# Altium PCB 400182.PcbDoc (part 1 of 3) (continued)
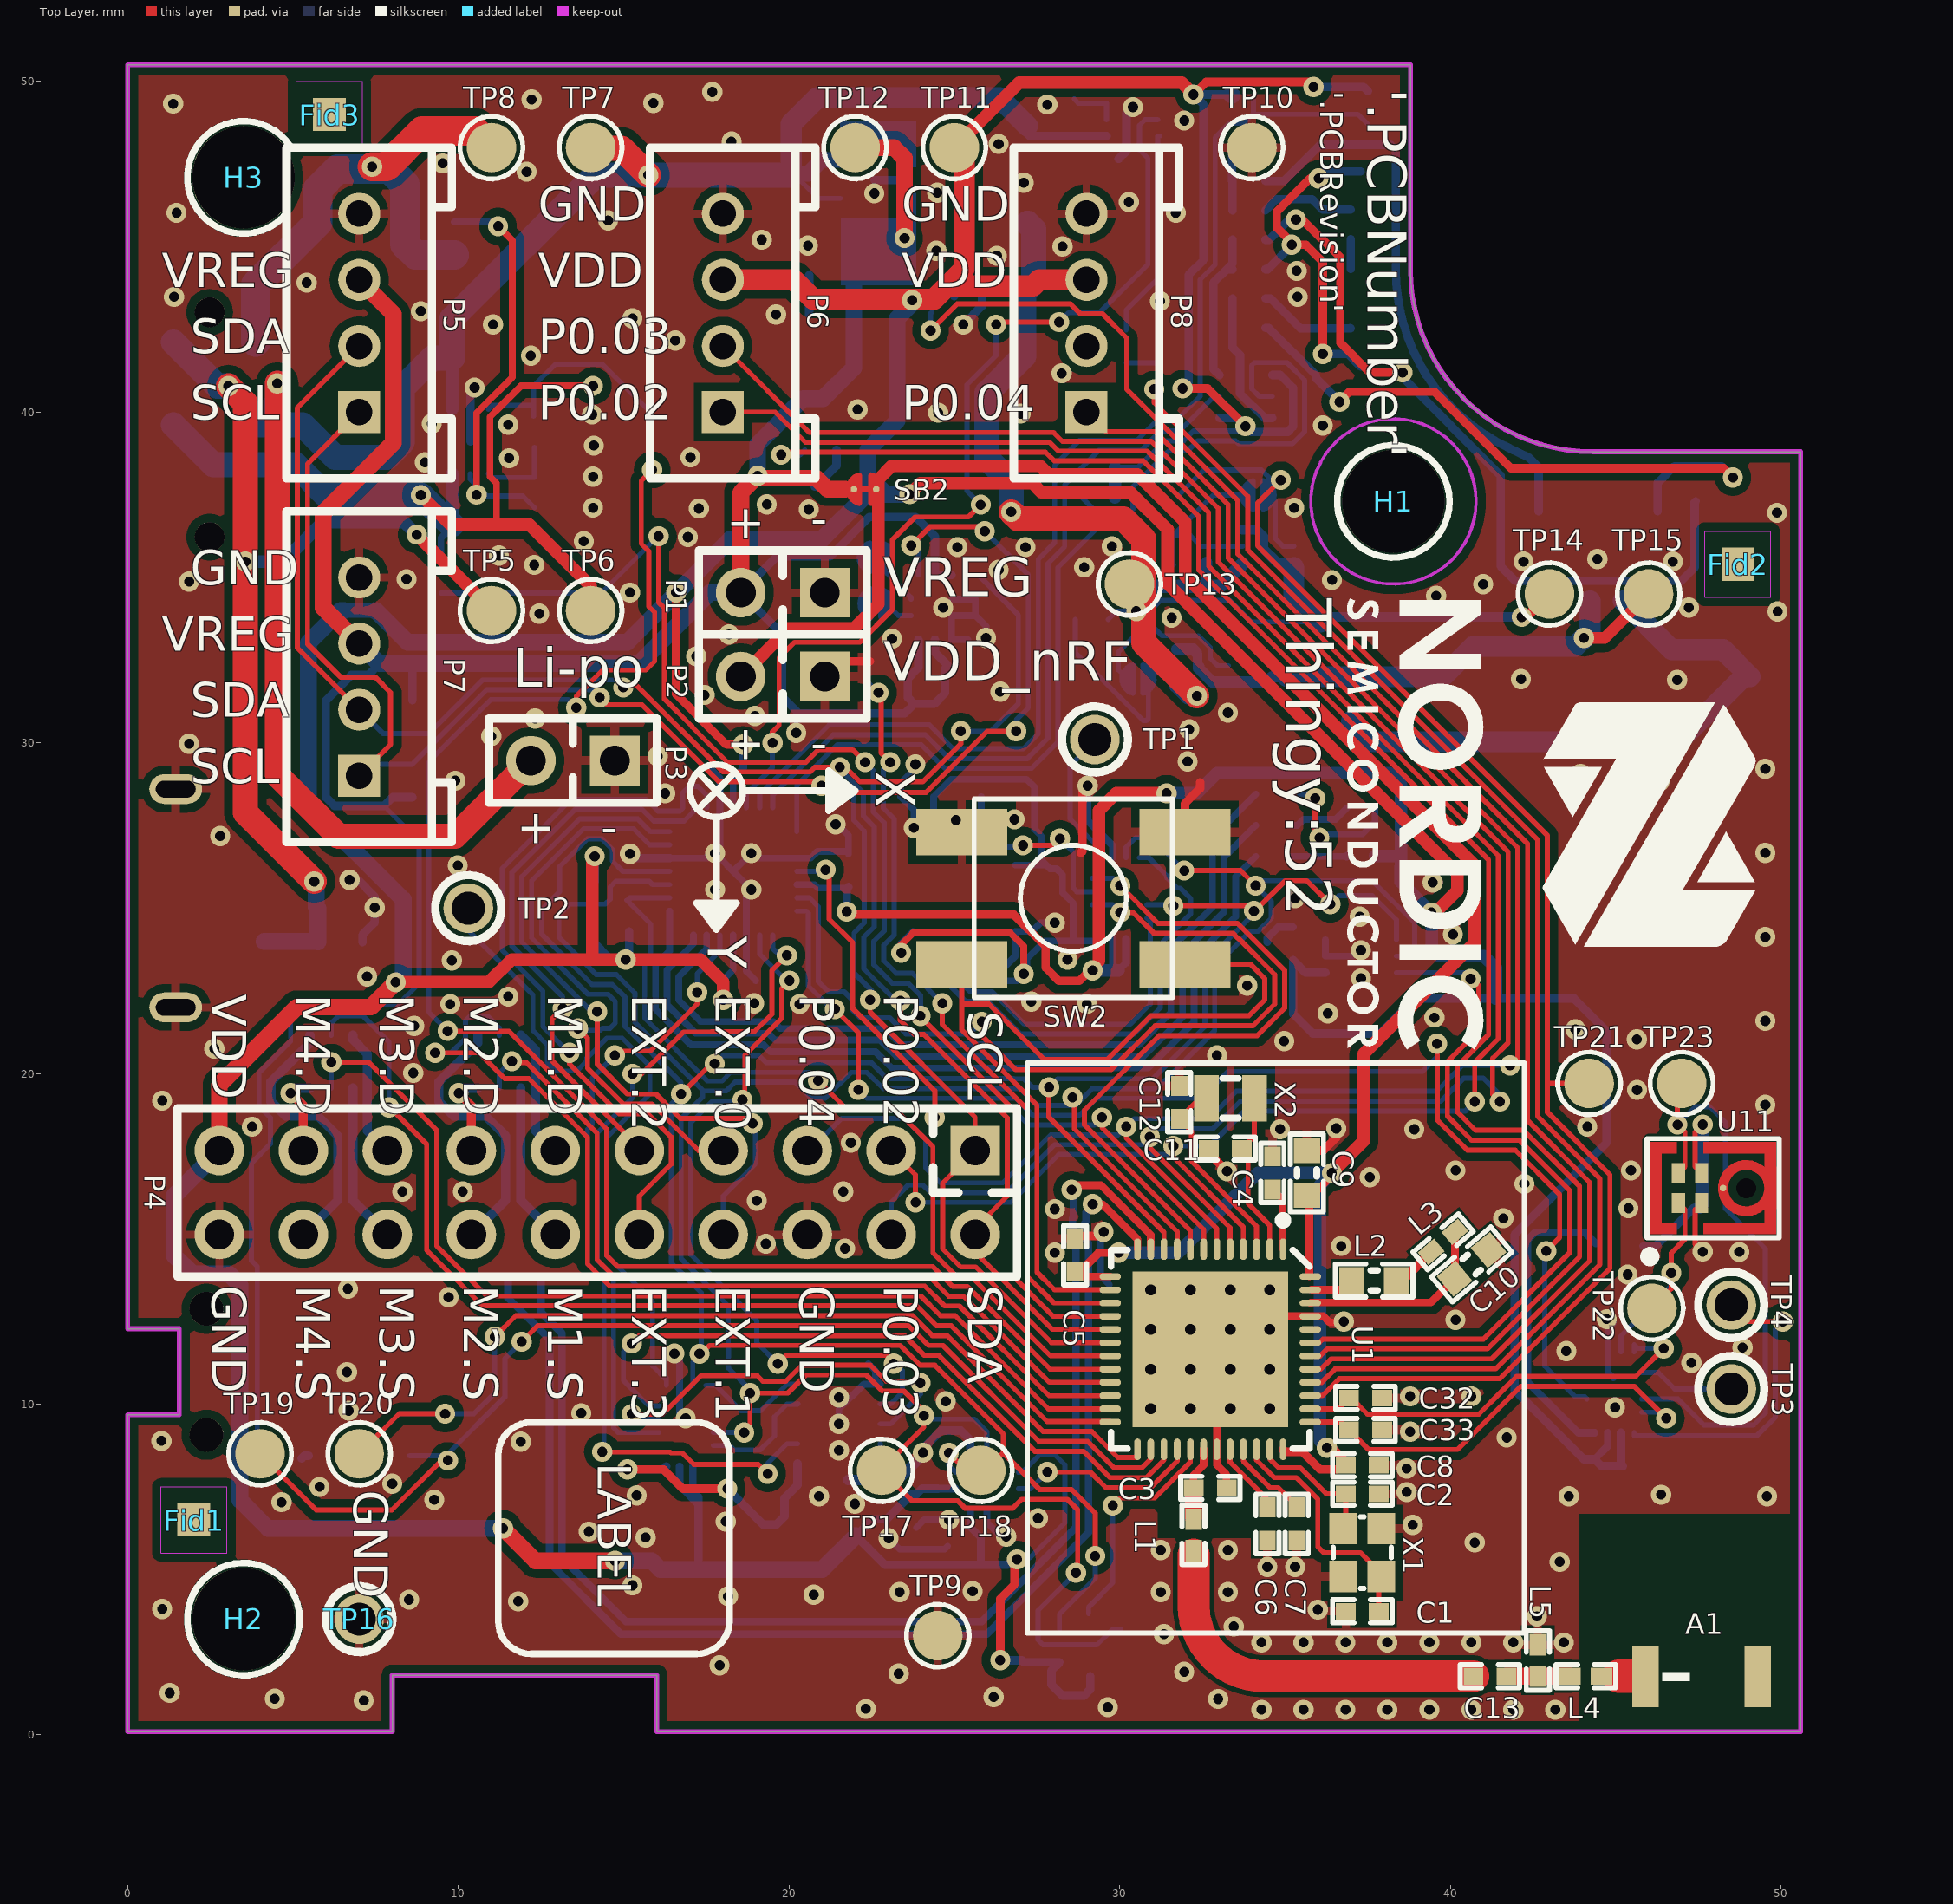
[diagram p0: Top Layer view]
## Footprints (in the part's own frame and the unit in brackets; to place one, negate y for a bottom-side part, rotate by r counter-clockwise, add the part's x,y. Pads: shape width x height; smd on the part's side, far side on the other; paste and mask are expansions set on the pad) (continued)
  Top Layer region: -0.077,-0.432 -0.152,-0.505 -0.271,-0.467 -0.335,-0.424 -0.409,-0.351 -0.462,-0.292 -0.521,-0.193 -0.549,-0.099 -0.544,0.122 -0.518,0.193 -0.434,0.33 -0.351,0.411 -0.259,0.469 -0.157,0.5 -0.107,0.483 -0.077,0.43
  Top Layer lines w0.152: -0.153,0.431 ccw(c-0.042,0) -0.487,0 ccw(c-0.042,0) -0.153,-0.431 ; 0.153,0.431 cw(c0.042,0) 0.436,-0.207 cw(c0.042,0) 0.338,-0.332 cw(c0.042,0) 0.153,-0.431
Solderbridge#2 [mm]
  round 0.2 smd paste-10: 1(-0.312,0) 2(0.312,0)
  Top Layer region: 0.077,0.432 0.152,0.505 0.271,0.467 0.335,0.424 0.409,0.351 0.462,0.292 0.521,0.193 0.549,0.099 0.544,-0.122 0.518,-0.193 0.434,-0.33 0.351,-0.411 0.259,-0.469 0.157,-0.5 0.107,-0.483 0.077,-0.43
  Top Layer region: -0.077,-0.432 -0.152,-0.505 -0.271,-0.467 -0.335,-0.424 -0.409,-0.351 -0.462,-0.292 -0.521,-0.193 -0.549,-0.099 -0.544,0.122 -0.518,0.193 -0.434,0.33 -0.351,0.411 -0.259,0.469 -0.157,0.5 -0.107,0.483 -0.077,0.43
  Top Layer lines w0.152: 0.153,-0.431 ccw(c0.042,0) 0.487,0 ccw(c0.042,0) 0.461,0.149 ccw(c0.042,0) 0.338,0.332 ccw(c0.042,0) 0.153,0.431 ; -0.153,-0.431 cw(c-0.042,0) -0.312,-0.353 cw(c-0.042,0) -0.338,-0.332 cw(c-0.042,0) -0.473,0.11 cw(c-0.042,0) -0.153,0.431
Solderbridge#3 [mm]
  round 0.2 smd paste-10: 1(-0.312,0) 2(0.312,0)
  Top Layer region: 0.077,0.432 0.152,0.505 0.271,0.467 0.335,0.424 0.409,0.351 0.462,0.292 0.521,0.193 0.549,0.099 0.544,-0.122 0.518,-0.193 0.434,-0.33 0.351,-0.411 0.259,-0.469 0.157,-0.5 0.107,-0.483 0.077,-0.43
  Top Layer region: -0.077,-0.432 -0.152,-0.505 -0.271,-0.467 -0.335,-0.424 -0.409,-0.351 -0.462,-0.292 -0.521,-0.193 -0.549,-0.099 -0.544,0.122 -0.518,0.193 -0.434,0.33 -0.351,0.411 -0.259,0.469 -0.157,0.5 -0.107,0.483 -0.077,0.43
  Top Layer lines w0.152: 0.153,-0.431 ccw(c0.042,0) 0.153,0.431 ; -0.153,-0.431 cw(c-0.042,0) -0.153,0.431
Solderbridge_Shorted [mm]
  round 0.2 smd paste-10: 1(-0.338,0) 2(0.338,0)
  Top Layer region: -0.102,-0.432 -0.178,-0.505 -0.296,-0.467 -0.361,-0.424 -0.434,-0.351 -0.488,-0.292 -0.546,-0.193 -0.574,-0.099 -0.569,0.122 -0.544,0.193 -0.46,0.33 -0.376,0.411 -0.284,0.469 -0.183,0.5 -0.132,0.483 -0.102,0.43
  Top Layer region: 0.102,0.432 0.178,0.505 0.296,0.467 0.361,0.424 0.434,0.351 0.488,0.292 0.546,0.193 0.574,0.099 0.569,-0.122 0.544,-0.193 0.46,-0.33 0.376,-0.411 0.284,-0.469 0.183,-0.5 0.132,-0.483 0.102,-0.43
  Top Layer lines w0.152: 0.178,0.431 cw(c0.068,0) 0.178,-0.431 ; -0.178,0.431 ccw(c-0.068,0) -0.178,-0.431
  Top Layer lines w0.203: 0.338,0 -0.338,0
SOT95P280X140-5N [mm] "SOT23, 5-Leads, Body 2,90x2,80mm, Pitch 0,95mm, IPC Medium Density"
  rect 1x0.6 smd: 1(-1.35,0.95) 2(-1.35,0) 3(-1.35,-0.95) 4(1.35,-0.95) 5(1.35,0.95)
  silkscreen extent -1.47,-1.5 0.45,1.93, body extent -1.5,-1.55 1.5,1.55, height 1.4
SOT-363 [mm] "SOT-363 (SC88)"
  rect 0.3x0.7 smd: 1(-0.65,-0.8) 2(0,-0.8) 3(0.65,-0.8) 4(0.65,0.8) 5(0,0.8) 6(-0.65,0.8)
  silkscreen extent -1.47,-1.07 1,0.6, body extent -1,-1.05 1,1.05, height 0.93
SOTFL50P162X60-6N [mm] "SOTFL, 6-Leads, Body 1.60x1.63mm, Pitch 0.50mm, IPC Medium Density"
  rect 0.65x0.35 smd: 1(-0.775,0.5) 2(-0.775,0) 3(-0.775,-0.5) 4(0.775,-0.5) 5(0.775,0) 6(0.775,0.5)
  silkscreen extent -0.9,-0.85 0.05,1.35, body extent -0.81,-0.85 0.81,0.85, height 0.6
"Speaker 15x11x3mm" [mm]
  rect 3x3 smd paste-5: 1(6.7,4.47) 2(6.7,-4.47)
  silkscreen extent -7.5,-5.5 7.5,5.5
Switch-PB-6.2x6.3mm-SMD [mm] "6.2×6.5mm TACT Switch, without ground connector"
  rect 2.75x1.4 smd: 1(-3.375,2) 1(3.375,2) 2(-3.375,-2) 2(3.375,-2)
  silkscreen extent -3,-3 3,3, body extent -4,-3 4,3.3, height 3.1
Switch-Slide-RA-J-Lead-DPDT-8.5x3.5mm [mm] "Slide Switches - DPDT, SMD, ON-ON"
  round 0.9 hole 0.9 unplated: 0(-3.4,0) 0(3.4,0)
  rect 1x1.6 smd: 1(-2.5,-1.4) 2(0,-1.4) 3(2.5,-1.4) 4(-2.5,1.4) 5(0,1.4) 6(2.5,1.4)
  silkscreen extent -4.5,-3.8 4.5,1.75, body extent -4.25,-3.75 4.25,1.75, height 3.5
TAIFENG_HW4-2.0-NC [mm]
  rect 1.27x1.27 hole 0.8: 1(-3,0)
  round 1.27 hole 0.8: 2(-1,0) 3(1,0) 4(3,0)
  silkscreen extent -5,-2.8 5,2.2
TESTPAD-TH [mm]
  round 1.5 hole 1: 1(0,0)
  silkscreen extent -1,-1 1,1
TP_SMD_Ø1.0mm [mm]
  round 1 smd paste-5: 1(0,0)
  silkscreen extent -0.7,-0.7 0.7,0.7
TP_SMD_Ø1.5mm [mm]
  round 1.5 smd paste-5: 1(0,0)
  silkscreen extent -0.95,-0.95 0.95,0.95
USB-Micro-B-RA-SMD-PiP [mm] "Micro USB B SMT"
  rect 1.35x0.4 smd: 1(0,1.3) 2(0,0.65) 3(0,0) 4(0,-0.65) 5(0,-1.3)
  oval 1.6x0.9 hole 0.5 slot 1.2 at 0 deg: 6(-2.675,-3.3) 6(-2.675,3.3)
  oval 2x1.5 on Bottom Paste: 6(-2.675,-3.3) 6(-2.675,3.3)
  rect 1.55x1.9 smd: 6(-2.675,-1.2) 6(-2.675,1.2)
  rect 1.4x1.6 smd: 6(-0.225,-3.2) 6(-0.225,3.2)
  silkscreen extent -4.75,-3.75 0.25,3.75, body extent -5.28,-4.1 0.15,4.1, height 2.72
USP-6EL [mm] "DFN, 6-Leads, Body 2.00x1.80mm, Pitch 0.55mm, Thermal Pad 1.10x1.50mm, IPC Medium Density"
  rect 0.45x0.35 smd paste-0.05: 1(-0.975,0.55) 2(-0.975,0) 3(-0.975,-0.55) 4(0.975,-0.55) 5(0.975,0) 6(0.975,0.55)
  rect 1.1x1.5 smd paste-2: 7(0,0)
  silkscreen extent -1.42,-0.97 1.07,1.12, body extent -0.92,-1.02 0.93,1.03, height 0.4
WSON50P210X210X60_HS-9N [mm] "WSON, 8-Leads, Body 2.10x2.10mm, Pitch 0.50mm, Thermal Pad 0.75x1.50mm, IPC Medium Density"
  rect 0.65x0.25 smd: 1(-1.075,0.75) 2(-1.075,0.25) 3(-1.075,-0.25) 4(-1.075,-0.75) 5(1.075,-0.75) 6(1.075,-0.25) 7(1.075,0.25) 8(1.075,0.75)
  rect 0.75x1.5 smd: 9(0,0)
  silkscreen extent -1.67,-1.15 1.1,1.67, body extent -1.1,-1.05 1.1,1.05, height 0.6
XQFN40P180X260X50-16N [mm] "QFN, 16-Leads, Body 1.80x2.60mm, Pitch 0.40mm, IPC Medium Density"
  oval 0.65x0.22 smd paste-0.02 mask+0.062: 1(-0.825,0.6) 2(-0.825,0.2) 3(-0.825,-0.2) 4(-0.825,-0.6) 9(0.825,-0.6) 10(0.825,-0.2) 11(0.825,0.2) 12(0.825,0.6)
  oval 0.22x0.65 smd paste-0.02 mask+0.062: 5(-0.6,-1.225) 6(-0.2,-1.225) 7(0.2,-1.225) 8(0.6,-1.225) 13(0.6,1.225) 14(0.2,1.225) 15(-0.2,1.225) 16(-0.6,1.225)
  silkscreen extent -1.45,-1.4 1,1.4, body extent -0.91,-1.31 0.91,1.31, height 0.55
XTAL_2012 [mm] "XTAL SMD 2.0 x 1.2 mm"
  rect 0.75x1.4 smd: 1(-0.725,0) 2(0.725,0)
  silkscreen extent -0.24,-0.6 0.24,0.6, body extent -1,-0.61 1,0.61, height 0.6

## Part data
A1: library part "Johanson 2450AT18B100", "2.45 GHz chip antenna", Manufacturer="Johanson Technology", Part number IPS=00000007781, Supplier Part Number 1=712-1006-1-ND, Artikkelnr Noca=N.A., ComponentLink1Description=Datasheet, ComponentLink2Description="Supplier link", Footprint Doc=2450AT18B100, HelpURL=http://www.johansontechnology.com/datasheets/antennas/2450AT18B100.pdf, LatestRevisionDate=2013-09-13, Manufacturer Part Number=2450AT18B100, Part Number="Johanson 2450AT18B100", Pin Count=2, Published=2013-09-13, Publisher="Nordic Semiconductor", Supplier 1=Digi-Key
C1 C2 C11 C12 C32 C33: library part C0402-12p, "Capacitor, NP0, ±2%", Part number IPS=00000002398, Artikkelnr Noca=20029159, ComponentLink1Description=Datasheet, ComponentLink2Description="Supplier link", Footprint Doc=0402, LatestRevisionDate=2011-05-11, Note=50V, Part Number=C0402-12p, Pin Count=2, Published=2009-05-08, Publisher="Nordic Semiconductor"
C3: library part C0402-0.8p, "Capacitor, NP0, ±5%", Part number IPS=00000007782, Artikkelnr Noca=20029147, ComponentLink1Description=Datasheet, ComponentLink2Description="Supplier link", Footprint Doc=0402, LatestRevisionDate=2012-11-21, Note=50V, Part Number=C0402-0.8p, Pin Count=2, Published=2009-05-08, Publisher="Nordic Semiconductor"
C4 C5 C8 C14 C15 C16 C17 C18 C20 C21 C23 C24 C25 C26 C27 C29 C34 C39: library part C0402-100n, "Capacitor, X7R, ±10%", Part number IPS=00000005296, Artikkelnr Noca=20039200, ComponentLink1Description=Datasheet, ComponentLink2Description="Supplier link", Footprint Doc=0402, LatestRevisionDate=2009-11-23, Note=16V, Part Number=C0402-100n, Pin Count=2, Published=2009-05-08, Publisher="Nordic Semiconductor"
C6: library part C0402-N.C., "Not mounted", Part number IPS=N.A., Artikkelnr Noca=N.A., Assembly="Not mounted", ComponentLink1Description=Datasheet, ComponentLink2Description="Supplier link", Footprint Doc=0402, LatestRevisionDate=2009-05-08, Note="Chip Cap", Part Number=C0402-N.C., Pin Count=2, Published=2009-05-08, Publisher="Nordic Semiconductor"
C7: library part C0402-100p, "Capacitor, NP0, ±5%", Part number IPS=00000002361, Artikkelnr Noca=20029135, ComponentLink1Description=Datasheet, ComponentLink2Description="Supplier link", Footprint Doc=0402, LatestRevisionDate=2009-05-08, Note=50V, Part Number=C0402-100p, Pin Count=2, Published=2009-05-08, Publisher="Nordic Semiconductor"
C9: library part C0603-4µ7, "Capacitor, X5R, ±10%", Part number IPS=00000007783, Artikkelnr Noca=20069060, ComponentLink1Description=Datasheet, ComponentLink2Description="Supplier link", Footprint Doc=0603, LatestRevisionDate=2009-11-23, Note=6.3V, Part Number=C0603-4µ7, Pin Count=2, Published=2009-05-08, Publisher="Nordic Semiconductor"
C10 C40 C41: library part C0603-1µ0, "Capacitor, X7R, ±10%", Part number IPS=00000000616, Artikkelnr Noca=20039282, ComponentLink1Description=Datasheet, ComponentLink2Description="Supplier link", Footprint Doc=0603, LatestRevisionDate=2013-06-05, Note=16V, Part Number=C0603-1µ0, Pin Count=2, Published=2009-05-08, Publisher="Nordic Semiconductor"
C13: library part C0402-2.2p, "Capacitor, NP0, ±0.1pF", Part number IPS=00000003105, Supplier Part Number 1=490-8092-1-ND, Artikkelnr Noca=20029145, ComponentLink1Description=Datasheet, ComponentLink2Description="Supplier link", Footprint Doc=0402, LatestRevisionDate=2017-02-23, Note=50V, Part Number=C0402-2.2p, Pin Count=2, Published=2009-05-08, Publisher="Nordic Semiconductor", Supplier 1=Digi-Key
C19 C30: library part C0402-10n, "Capacitor, X7R, ±10%", Part number IPS=00000007784, Artikkelnr Noca=20039166, ComponentLink1Description=Datasheet, ComponentLink2Description="Supplier link", Footprint Doc=0402, LatestRevisionDate=2009-11-23, Note=16V, Part Number=C0402-10n, Pin Count=2, Published=2009-05-08, Publisher="Nordic Semiconductor"
C22 C31 C38 C42 C44: library part C0603-10µ, "Capacitor, X5R, ±20%", Part number IPS=00000007785, Artikkelnr Noca=20039234, ComponentLink1Description=Datasheet, ComponentLink2Description="Supplier link", Footprint Doc=0603, LatestRevisionDate=2011-01-17, Note=6.3V, Part Number=C0603-10µ, Pin Count=2, Published=2011-01-17, Publisher="Nordic Semiconductor"
C28: library part C0402-1µ0, "Capacitor, X5R, ±5%, 6.3V", Part number IPS=00000007786, Supplier Part Number 1=1276-1444-1-ND, Artikkelnr Noca=20039235, ComponentLink1Description=Datasheet, ComponentLink2Description="Supplier link", Footprint Doc=0402, LatestRevisionDate=2016-08-22, Note=6.3V, Part Number=C0402-1µ0, Pin Count=2, Published=2009-05-08, Publisher="Nordic Semiconductor", Supplier 1=Digi-Key
C35: library part C0402-150p, "Capacitor, NP0, ±5%", Part number IPS=00000007972, Artikkelnr Noca=20029111, ComponentLink1Description=Datasheet, ComponentLink2Description="Supplier link", Footprint Doc=0402, LatestRevisionDate=2009-05-08, Note=50V, Part Number=C0402-150p, Pin Count=2, Published=2009-05-08, Publisher="Nordic Semiconductor"
C36: library part C0402-330p, "Capacitor, NP0, ±5%", Part number IPS=00000006576, Artikkelnr Noca=N.A., ComponentLink1Description=Datasheet, ComponentLink2Description="Supplier link", Footprint Doc=0402, LatestRevisionDate=2017-02-02, Note=50V, Part Number=C0402-330p, Pin Count=2, Published=2009-05-08, Publisher="Nordic Semiconductor"
C37: library part C0402-220n, "Capacitor, X7R, ±10%", Part number IPS=00000006793, Artikkelnr Noca=N.A., ComponentLink1Description=Datasheet, ComponentLink2Description="Supplier link", Footprint Doc=0402, LatestRevisionDate=2009-05-08, Note=16V, Part Number=C0402-220n, Pin Count=2, Published=2009-05-08, Publisher="Nordic Semiconductor"
C43 C47: library part C0603-22µ-6.3V, "CAP CER 22UF 6.3V 20% X5R 0603", Manufacturer=Samsung, Manufacturer Part Number=CL10A226MQ8NRNC, Part number IPS=00000007787, Supplier Part Number 1=1276-1193-1-ND, Artikkelnr Noca=N.A., ComponentLink1Description=Datasheet, ComponentLink2Description="Supplier link", Footprint Doc=0603, HelpURL=http://www.samsungsem.com/kr/front/downloadcms.do?path=/kr/support/product-search/mlcc/__icsFiles/afieldfile/2014/11/05&fileName=S_CL10A226MQ8NRNC.pdf, LatestRevisionDate=2015-04-10, Note=6.3V, Part Number=C0603-22µ-6.3V, Pin Count=2, Published=2015-04-10, Publisher="Nordic Semiconductor", Supplier 1=Digi-Key
C45 C46: library part C0402-560p, "Capacitor, NP0, ±5%", Part number IPS=N.A., Artikkelnr Noca=20029161, ComponentLink1Description=Datasheet, ComponentLink2Description="Supplier link", Footprint Doc=0402, LatestRevisionDate=2009-05-08, Note=50V, Part Number=C0402-560p, Pin Count=2, Published=2009-05-08, Publisher="Nordic Semiconductor"
D1 D2: library part BZT52C2V4T, "Diode, Zener, 2.4V, 0.3W", Manufacturer="Diodes Incorporated", Part number IPS=00000007974, Supplier Part Number 1=BZT52C2V4T-7DICT-ND, Artikkelnr Noca=N.A., ComponentLink1Description=Datasheet, ComponentLink2Description="Supplier link", Footprint Doc=SOD-523, HelpURL=http://www.diodes.com/_files/datasheets/ds30502.pdf, LatestRevisionDate=2017-01-25, Manufacturer Part Number=BZT52C2V4T, Part Number=BZT52C2V4T, Pin Count=2, Published=2017-01-25, Publisher="Nordic Semiconductor", Supplier 1=Digi-Key
FB1: library part FB0603-600R@100MHz-500mA, "Ferrite Bead, 600 Ohm @ 100MHz, 500mA, 380 mOhm Max", Manufacturer=Murata, Manufacturer Part Number=BLM18AG601SN1, Part number IPS=00000007789, Supplier Part Number 1=151-5679, Artikkelnr Noca=37019100, ComponentLink1Description=Datasheet, ComponentLink2Description="Supplier link", Footprint Doc=0603, HelpURL=http://www.farnell.com/datasheets/356366.pdf, LatestRevisionDate=2014-01-10, Note="Chip EMIFIL Inductor Type Chip Ferrite Bead", Part Number=FB0603-600R@100MHz-500mA, Pin Count=2, Published=2010-09-02, Publisher="Nordic Semiconductor", Supplier 1=Farnell, Supplier 2=Digi-Key, Supplier Part Number 2=490-1014-1-ND
Fid1 Fid2 Fid3: library part Fid-Mark-Round-Square, "Fiducial Mark", Part number IPS=N.A., Artikkelnr Noca=N.A., ComponentLink1Description=Datasheet, ComponentLink2Description="Supplier link", Footprint Doc=Fiducial, LatestRevisionDate=2017-01-30, Part Number=Fid-Mark-Round-Square, Pin Count=1, Published=2009-12-12, Publisher="Nordic Semiconductor"
H1 H2 H3: library part Hole_3MM_NP, "Regular Non-Plated, 3mm hole", Manufacturer="Nordic Semiconductor", Part number IPS=N.A., Artikkelnr Noca=N.A., ComponentLink1Description=Datasheet, ComponentLink2Description="Supplier link", Footprint Doc=Hole_3MM_NP, LatestRevisionDate=2009-12-12, Note="Regular Non-Plated, 3mm hole", Part Number=Hole_3MM_NP, Pin Count=1, Published=2009-12-12, Publisher="Nordic Semiconductor"
J1: library part USB-Micro-B-RA-SMD-PiP, "MicroUSB-B-SMT", Manufacturer="Allen Creations Corp.", Manufacturer Part Number=AJU55-BS2111-L, Part number IPS=00000007790, Artikkelnr Noca=55029020, ComponentLink1Description=Datasheet, ComponentLink2Description="Supplier link", Footprint Doc=USB-Micro-B-RA-SMD-PiP, HelpURL="\\hizz\pro\app9717\Datasheet\connectores\Allen Creations Corp\AJU-211.pdf", LatestRevisionDate=2016-04-21, Part Number=USB-Micro-B-RA-SMD-PiP, Pin Count=5, Published=2014-10-07, Publisher="Nordic Semiconductor", Supplier 1=Cabcon, Supplier 2=Digi-Key, Supplier Part Number 1=AJU55-BS2111-L, Supplier Part Number 2=609-4616-1-ND
J2: library part SM03B-SRSS-TB, "1.0mm pitch connector side entry SMD", Manufacturer=JST, Manufacturer Part Number=SM03B-SRSS-TB(LF)(SN), Part number IPS=00000001785, Supplier Part Number 1=455-1803-1-ND, Artikkelnr Noca=N.A., ComponentLink1Description=Datasheet, ComponentLink2Description="Supplier link", Footprint Doc=SM03B-SRSS-TB, HelpURL=http://www.jst-mfg.com/product/pdf/eng/eSH.pdf, LatestRevisionDate=2017-10-09, Note="JST, Header", Part Number=SM03B-SRSS-TB, Pin Count=3, Published=2017-10-09, Publisher="Nordic Semiconductor", Supplier 1=Digi-Key
J3: library part FPC_05P-0.5mm-RA-SMD, "0.5mm FPC, 5P,Right Angle SMT,Double Contact,H=1.2mm,White, Tin plated", Manufacturer=W-CON, Manufacturer Part Number=5141-05RZDNWR01, Part number IPS=00000007792, Artikkelnr Noca=55010020, ComponentLink1Description=Datasheet, ComponentLink2Description="Supplier link", Footprint Doc=FPC_05P-0.5mm-RA-SMD, HelpURL=\\hizz\pro\app9717\Datasheet\connectores\W-CON\5141-XXRZDNXX0X.pdf, LatestRevisionDate=2016-04-21, Part Number=FPC_05P-0.5mm-RA-SMD, Pin Count=7, Published=2015-06-22, Publisher="Nordic Semiconductor", Supplier 1=Cabcon, Supplier 2=Digi-Key, Supplier Part Number 1=5141-05RZDNWR01, Supplier Part Number 2=WM9836CT-ND
L1 L4: library part L0402-3n9, "Inductor, 170mA, ±0.1nH", Manufacturer=Murata, Manufacturer Part Number=LQP15MN3N9B02D, Part number IPS=00000007793, Supplier Part Number 1=490-1131-1-ND, Artikkelnr Noca=33029151, ComponentLink1Description=Datasheet, ComponentLink2Description="Supplier link", Footprint Doc=0402, HelpURL=http://search.murata.co.jp/Ceramy/image/img/PDF/ENG/L0075S0084LQP15M.pdf, LatestRevisionDate=2012-09-19, Note="High frequency chip inductor ±5%", Part Number=L0402-3n9, Pin Count=2, Published=2009-05-08, Publisher="Nordic Semiconductor", Supplier 1=Digi-Key
L2: library part L0603-10µ, "Inductor, 80mA, ±10%", Manufacturer="Taiyo Yuden", Manufacturer Part Number=LBMF1608T100K, Part number IPS=00000007794, Supplier Part Number 1=587-1714-1-ND, Artikkelnr Noca=33029314, ComponentLink1Description=Datasheet, ComponentLink2Description="Supplier link", Footprint Doc=0603, HelpURL=http://www.yuden.co.jp/ut/product/pdf/elb2_e.pdf, LatestRevisionDate=2012-09-19, Note="LBMF1608T100K 10µH 80mA 0603", Part Number=L0603-10µ, Pin Count=2, Published=2010-02-24, Publisher="Nordic Semiconductor", Supplier 1=Digi-Key, Supplier 2=Farnell, Supplier Part Number 2=178-6105
L3: library part L0402-15n, "Inductor, 320mA, ±5%", Manufacturer="Taiyo Yuden", Manufacturer Part Number=HK100515NJ-T, Part number IPS=00000001262, Supplier Part Number 1=587-1521-1-ND, Artikkelnr Noca=33029323, ComponentLink1Description=Datasheet, ComponentLink2Description="Supplier link", Footprint Doc=0402, HelpURL=http://www.yuden.co.jp/productdata/catalog/en/mlci04_e.pdf, LatestRevisionDate=2012-09-19, Note="High frequency chip inductor ±10%", Part Number=L0402-15n, Pin Count=2, Published=2010-07-12, Publisher="Nordic Semiconductor", Supplier 1=Digi-Key, Supplier 2=Farnell, Supplier Part Number 2=658-1328
L5: library part L0402-N.C., "Not mounted", Part number IPS=N.A., Artikkelnr Noca=N.A., Assembly="Not mounted", ComponentLink1Description=Datasheet, ComponentLink2Description="Supplier link", Footprint Doc=0402, LatestRevisionDate=2016-11-24, Part Number=L0402-N.C., Pin Count=2, Published=2016-11-24, Publisher="Nordic Semiconductor"
L6: library part L4040-220µ, "Inductor, ±20%, 200mA, 2.76 Ohm", Manufacturer=Bourns, Manufacturer Part Number=SRN4026-221M, Part number IPS=00000007797, Supplier Part Number 1=SRN4026-221MCT-ND, Artikkelnr Noca=N:A, ComponentLink1Description=Datasheet, ComponentLink2Description="Supplier link", Footprint Doc=4040, HelpURL=http://www.bourns.com/docs/Product-Datasheets/SRN4026.pdf, LatestRevisionDate=2016-01-18, Note="-40°C ~ 125°C", Part Number=L4040-220µ, Pin Count=2, Published=2016-01-18, Publisher="Nordic Semiconductor", Supplier 1=Digi-Key
LD1: library part LTST-C19HE1WT, "RGB LED 1.60 mm x 1.60 mm SMD", Manufacturer="Lite-On Inc", Part number IPS=00000007798, Supplier Part Number 1=160-2162-1-ND, Artikkelnr Noca=N.A., ComponentLink1Description=Datasheet, ComponentLink2Description="Supplier link", Footprint Doc=LED_RGB_0606, HelpURL=http://optoelectronics.liteon.com/upload/download/DS22-2008-0044/S_110_LTST-C19HE1WT.pdf, LatestRevisionDate=2016-09-23, Manufacturer Part Number=LTST-C19HE1WT, Part Number=LTST-C19HE1WT, Pin Count=4, Published=2016-09-23, Publisher="Nordic Semiconductor", Supplier 1=Digi-Key, Supplier 2=Mouser, Supplier Part Number 2=859-LTST-C19HE1WT
LD2 LD3: library part MSL0104RGBU1, "High brightness, side view RGB LED", Manufacturer=ROHM, Part number IPS=00000007799, Supplier Part Number 1=MSL0104RGBU1CT-ND, Artikkelnr Noca=N.A., ComponentLink1Description=Datasheet, ComponentLink2Description="Supplier link", Footprint Doc=6922, HelpURL=http://www.rohm.com/web/eu/datasheet/MSL0104RGBU, LatestRevisionDate=2016-09-21, Manufacturer Part Number=MSL0104RGBU1, Part Number=MSL0104RGBU1, Pin Count=7, Published=2016-09-21, Publisher="Nordic Semiconductor", Supplier 1=Digi-Key, Supplier 2=Mouser, Supplier Part Number 2=755-MSL0104RGBU1
P1 P2 P3: library part "Pin List 1x2, N.C.", "Pin List 1x2, 2.54mm (100mil)", Part number IPS=N.A., Artikkelnr Noca=N.A., Assembly="Not mounted", ComponentLink1Description=Datasheet, ComponentLink2Description="Supplier link", Footprint Doc=LIST_1x2, LatestRevisionDate=2017-02-02, Part Number="Pin List 1x2, N.C.", Pin Count=2, Published=2017-01-30, Publisher="Nordic Semiconductor"
P4: library part "Pin Header 2x10, N.C.", "Pin Header 2x10, 2.54mm (100mil)", Part number IPS=N.A., Artikkelnr Noca=N.A., Assembly="Not mounted", ComponentLink1Description=Datasheet, ComponentLink2Description="Supplier link", Footprint Doc=HDR_2x10, LatestRevisionDate=2017-02-02, Part Number="Pin Header 2x10, N.C.", Pin Count=20, Published=2017-01-30, Publisher="Nordic Semiconductor"
P5 P6 P7 P8: library part "Taifeng_HW4-2.0, N.C.", "4 pin, Grove DIP connector", Manufacturer=Taifeng, Part number IPS=N.A., Supplier Part Number 1=110990030, Artikkelnr Noca=N.A., Assembly="Not mounted", ComponentLink1Description=Datasheet, ComponentLink2Description="Supplier link", Footprint Doc=HW4-2.0, LatestRevisionDate=2017-01-30, Manufacturer Part Number=HW4-2.0, Part Number="Taifeng_HW4-2.0, N.C.", Pin Count=4, Published=2017-01-30, Publisher="Nordic Semiconductor", Supplier 1=Seeedstudio
P9: library part "Pin Header 2x5 SMD, 1.27mm, Angled", "Pin Header 2x5, 1.27mm (50mil)", Manufacturer=Samtec, Manufacturer Part Number=FTSH-105-01-L-DH-A-C-TR, Part number IPS=00000007800, Artikkelnr Noca=N.A., ComponentLink1Description=Datasheet, ComponentLink2Description="Supplier link", Footprint Doc=HDR_2x5-SMD-1.27mm-ANG, HelpURL=http://www.samtec.com/documents/webfiles/pdf/FTSH_SMT.PDF, LatestRevisionDate=2014-01-22, Part Number="Pin Header 2x5 SMD, 1.27mm, Angled", Pin Count=10, Published=2014-01-22, Publisher="Nordic Semiconductor", Supplier 1=Samtec, Supplier Part Number 1=FTSH-105-01-L-DH-A-C-TR
Q1 Q4 Q5: "Dual N & P Ch MOFET, 1.03A/0.7A, 480mOhm, 450mW", Manufacturer="Diodes Incorporated", Part number IPS=00000007803, Supplier Part Number 1=DMC2400UV-7DICT-ND, Artikkelnr Noca=N.A., ComponentLink1Description=Datasheet, ComponentLink2Description="Supplier link", Footprint Doc=SOT-563, HelpURL=http://www.diodes.com/_files/datasheets/DMC2400UV.pdf, LatestRevisionDate=2016-01-18, Manufacturer Part Number=DMC2400UV, Note="Dual N & P Channel Digital FET", Part Number=DMC2400UV, Pin Count=6, Published=2016-01-18, Publisher="Nordic Semiconductor", Supplier 1=Digi-Key
Q2 Q3: "Dual P Ch MOFET, 900mA, 260mOhm, 450mW", Manufacturer="Diodes Incorporated", Part number IPS=00000007802, Supplier Part Number 1=DMP2200UDW-7DICT-ND, Artikkelnr Noca=N.A., ComponentLink1Description=Datasheet, ComponentLink2Description="Supplier link", Footprint Doc=SOT-363, HelpURL=http://www.diodes.com/_files/datasheets/DMP2200UDW.pdf, LatestRevisionDate=2016-11-08, Manufacturer Part Number=DMP2200UDW, Note="Dual P Channel Digital FET", Part Number=DMP2200UDW, Pin Count=6, Published=2016-11-08, Publisher="Nordic Semiconductor", Supplier 1=Digi-Key
Q6 Q7: "Dual N Ch MOFET, 1A, 190mOhm, 320mW", Manufacturer="Diodes Incorporated", Part number IPS=00000007804, Supplier Part Number 1=DMN3190LDW-13DICT-ND, Artikkelnr Noca=N.A., ComponentLink1Description=Datasheet, ComponentLink2Description="Supplier link", Footprint Doc=SOT-363, HelpURL=http://www.diodes.com/_files/datasheets/DMN3190LDW.pdf, LatestRevisionDate=2016-09-22, Manufacturer Part Number=DMN3190LDW, Note="Dual N Channel Digital FET", Part Number=DMN3190LDW, Pin Count=6, Published=2016-09-22, Publisher="Nordic Semiconductor", Supplier 1=Digi-Key
R1 R13 R15: library part R0402-10k, "Resistor, ±1%, 0.063W", Part number IPS=00000002093, Supplier Part Number 1=173-8864, Artikkelnr Noca=27049097, ComponentLink1Description=Datasheet, ComponentLink2Description="Supplier link", Footprint Doc=0402, LatestRevisionDate=2009-11-23, Note="Chip Res 1%", Part Number=R0402-10k, Pin Count=2, Published=2009-05-08, Publisher="Nordic Semiconductor", Supplier 1=Farnell
R2 R3: library part R0402-1M0, "Resistor, ±1%, 0.063W", Part number IPS=00000006807, Artikkelnr Noca=27049145, ComponentLink1Description=Datasheet, ComponentLink2Description="Supplier link", Footprint Doc=0402, LatestRevisionDate=2009-11-23, Note="Chip Res 1%", Part Number=R0402-1M0, Pin Count=2, Published=2009-05-08, Publisher="Nordic Semiconductor"
R4 R7: library part R0402-169, "Resistor, ±1%, 0.063W", Part number IPS=00000007805, Supplier Part Number 1=541-169LCT-ND, Artikkelnr Noca=N.A., ComponentLink1Description=Datasheet, ComponentLink2Description="Supplier link", Footprint Doc=0402, LatestRevisionDate=2016-09-22, Note="Chip Res 1%", Part Number=R0402-169, Pin Count=2, Published=2016-09-22, Publisher="Nordic Semiconductor", Supplier 1=Digi-Key
R5 R8: library part R0402-7R15, "Resistor, ±1%, 0.063W", Part number IPS=00000007806, Supplier Part Number 1=541-7.15LLCT-ND, Artikkelnr Noca=N.A., ComponentLink1Description=Datasheet, ComponentLink2Description="Supplier link", Footprint Doc=0402, LatestRevisionDate=2016-09-22, Note="Chip Res 1%", Part Number=R0402-7R15, Pin Count=2, Published=2016-09-22, Publisher="Nordic Semiconductor", Supplier 1=Digi-Key